# KiCad board Niew_boven.kicad_pcb
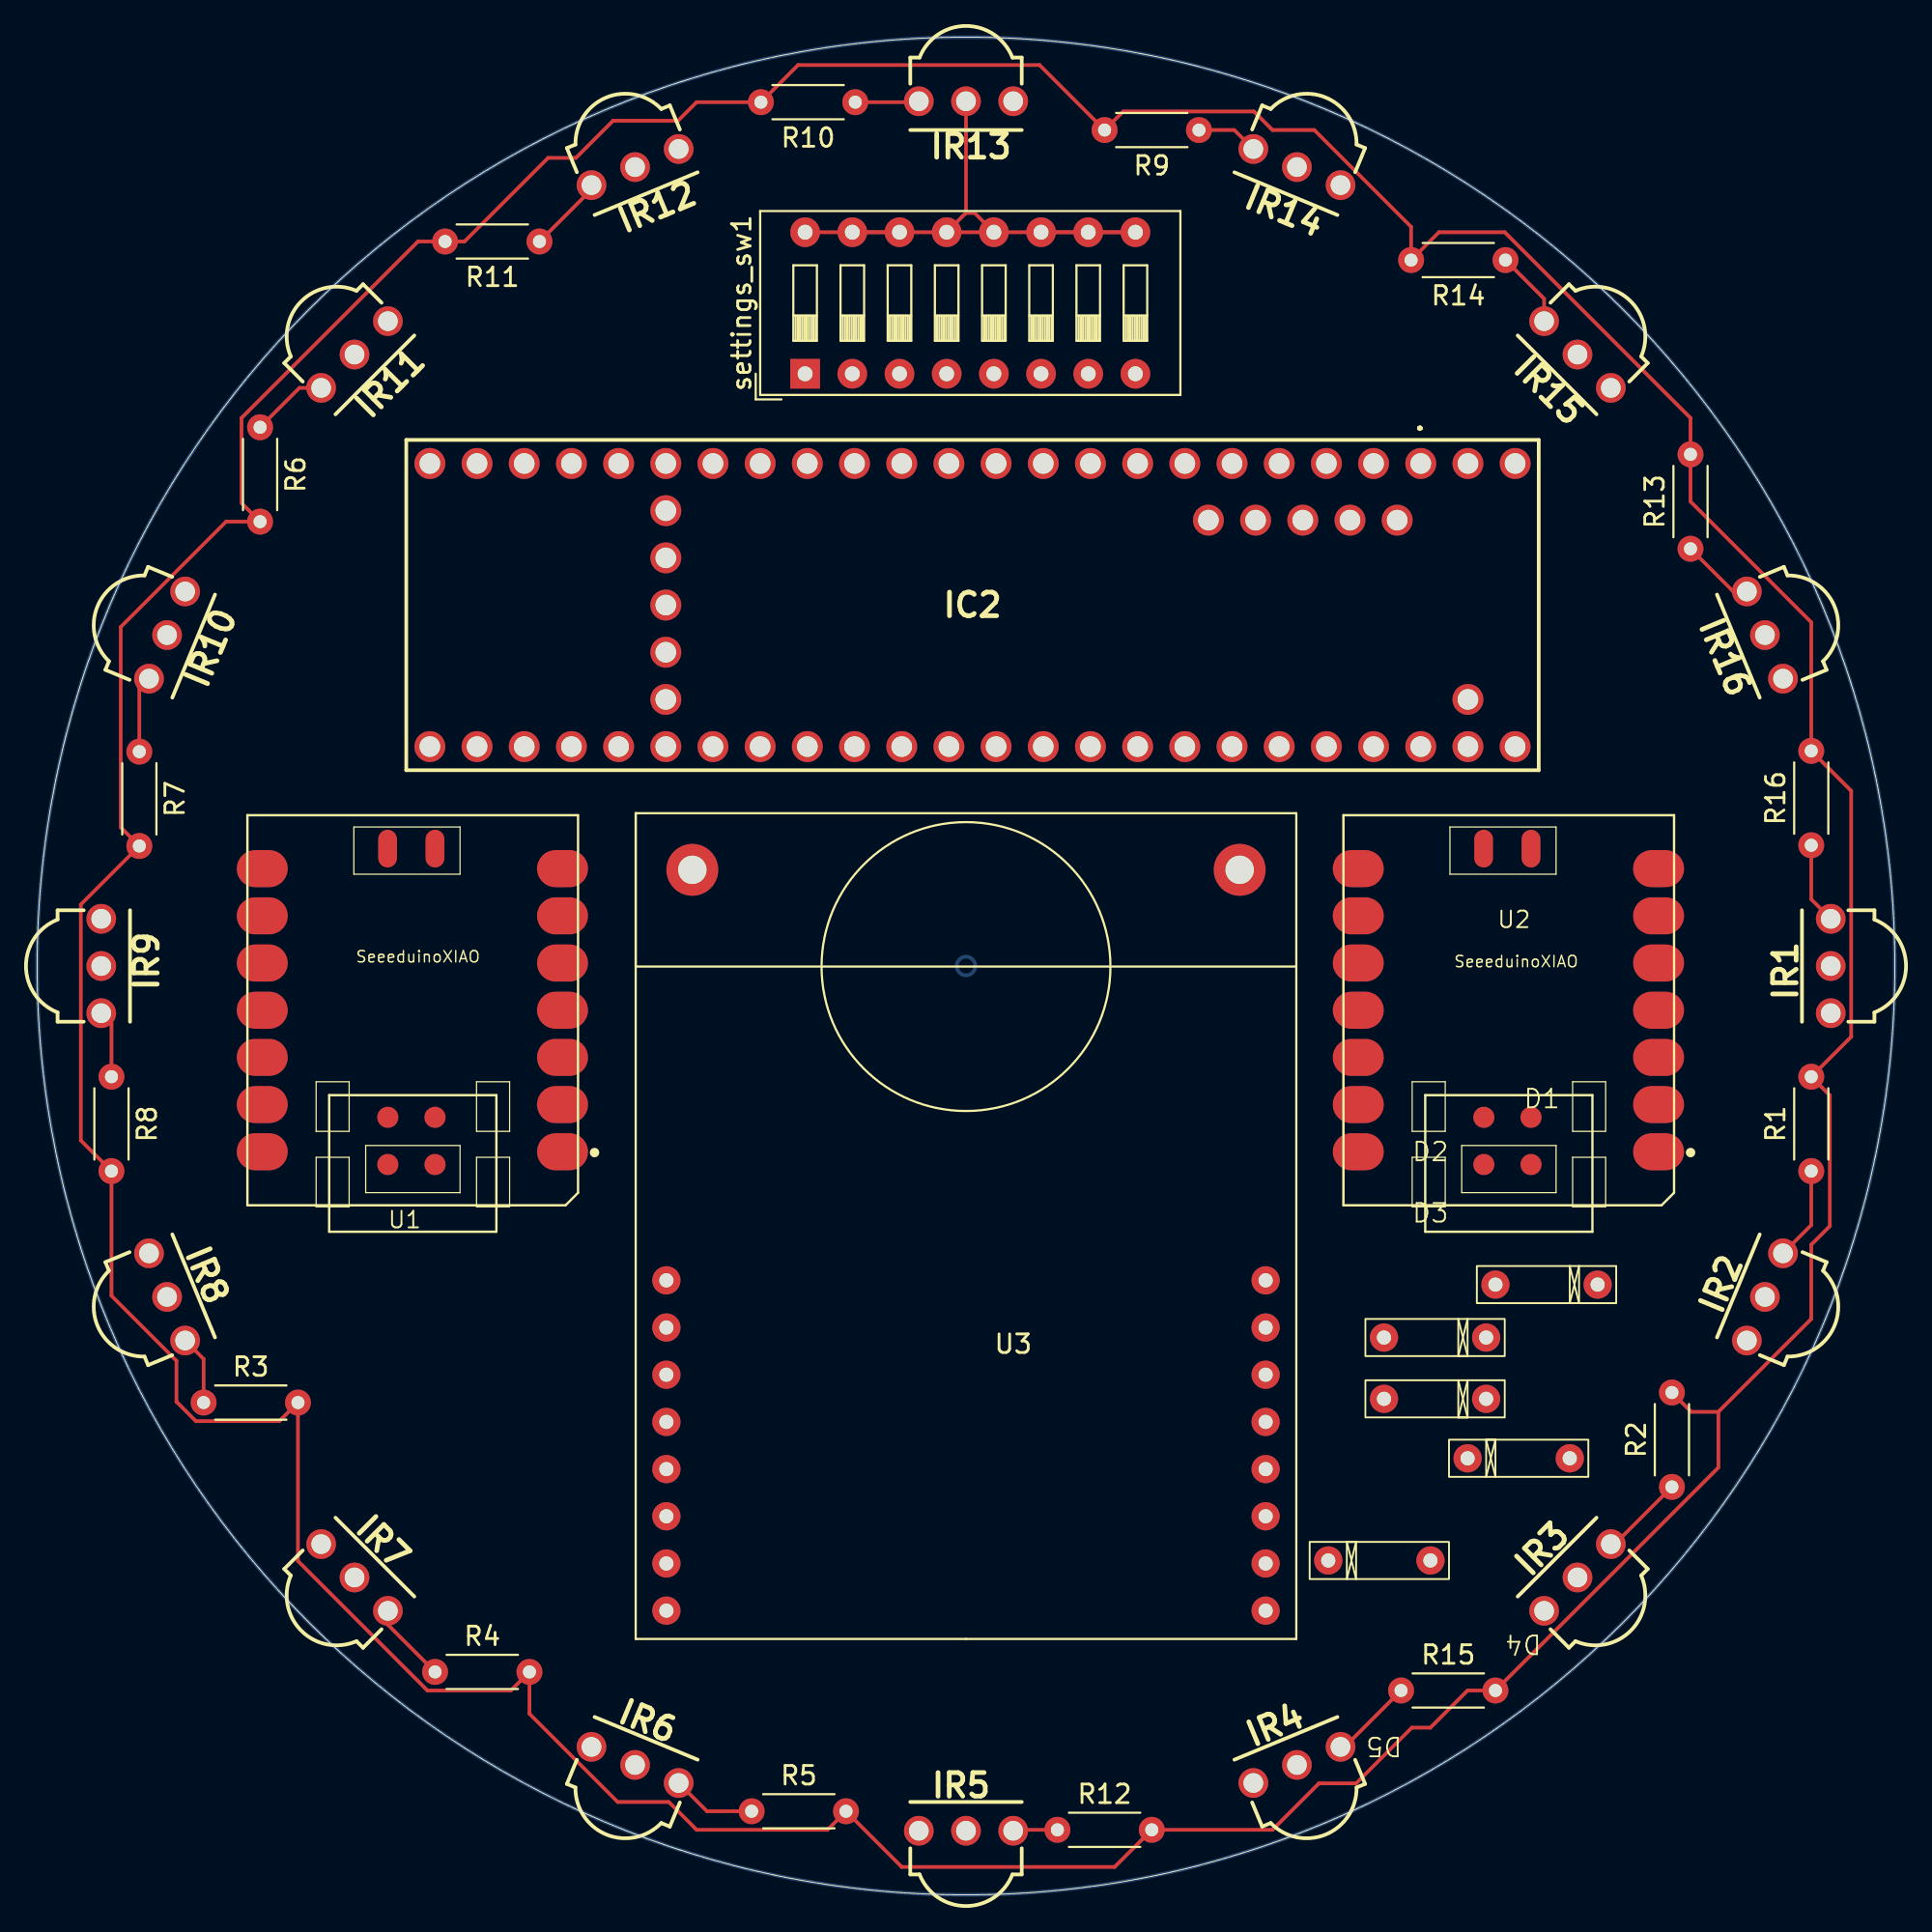
[diagram p0: board, top side]
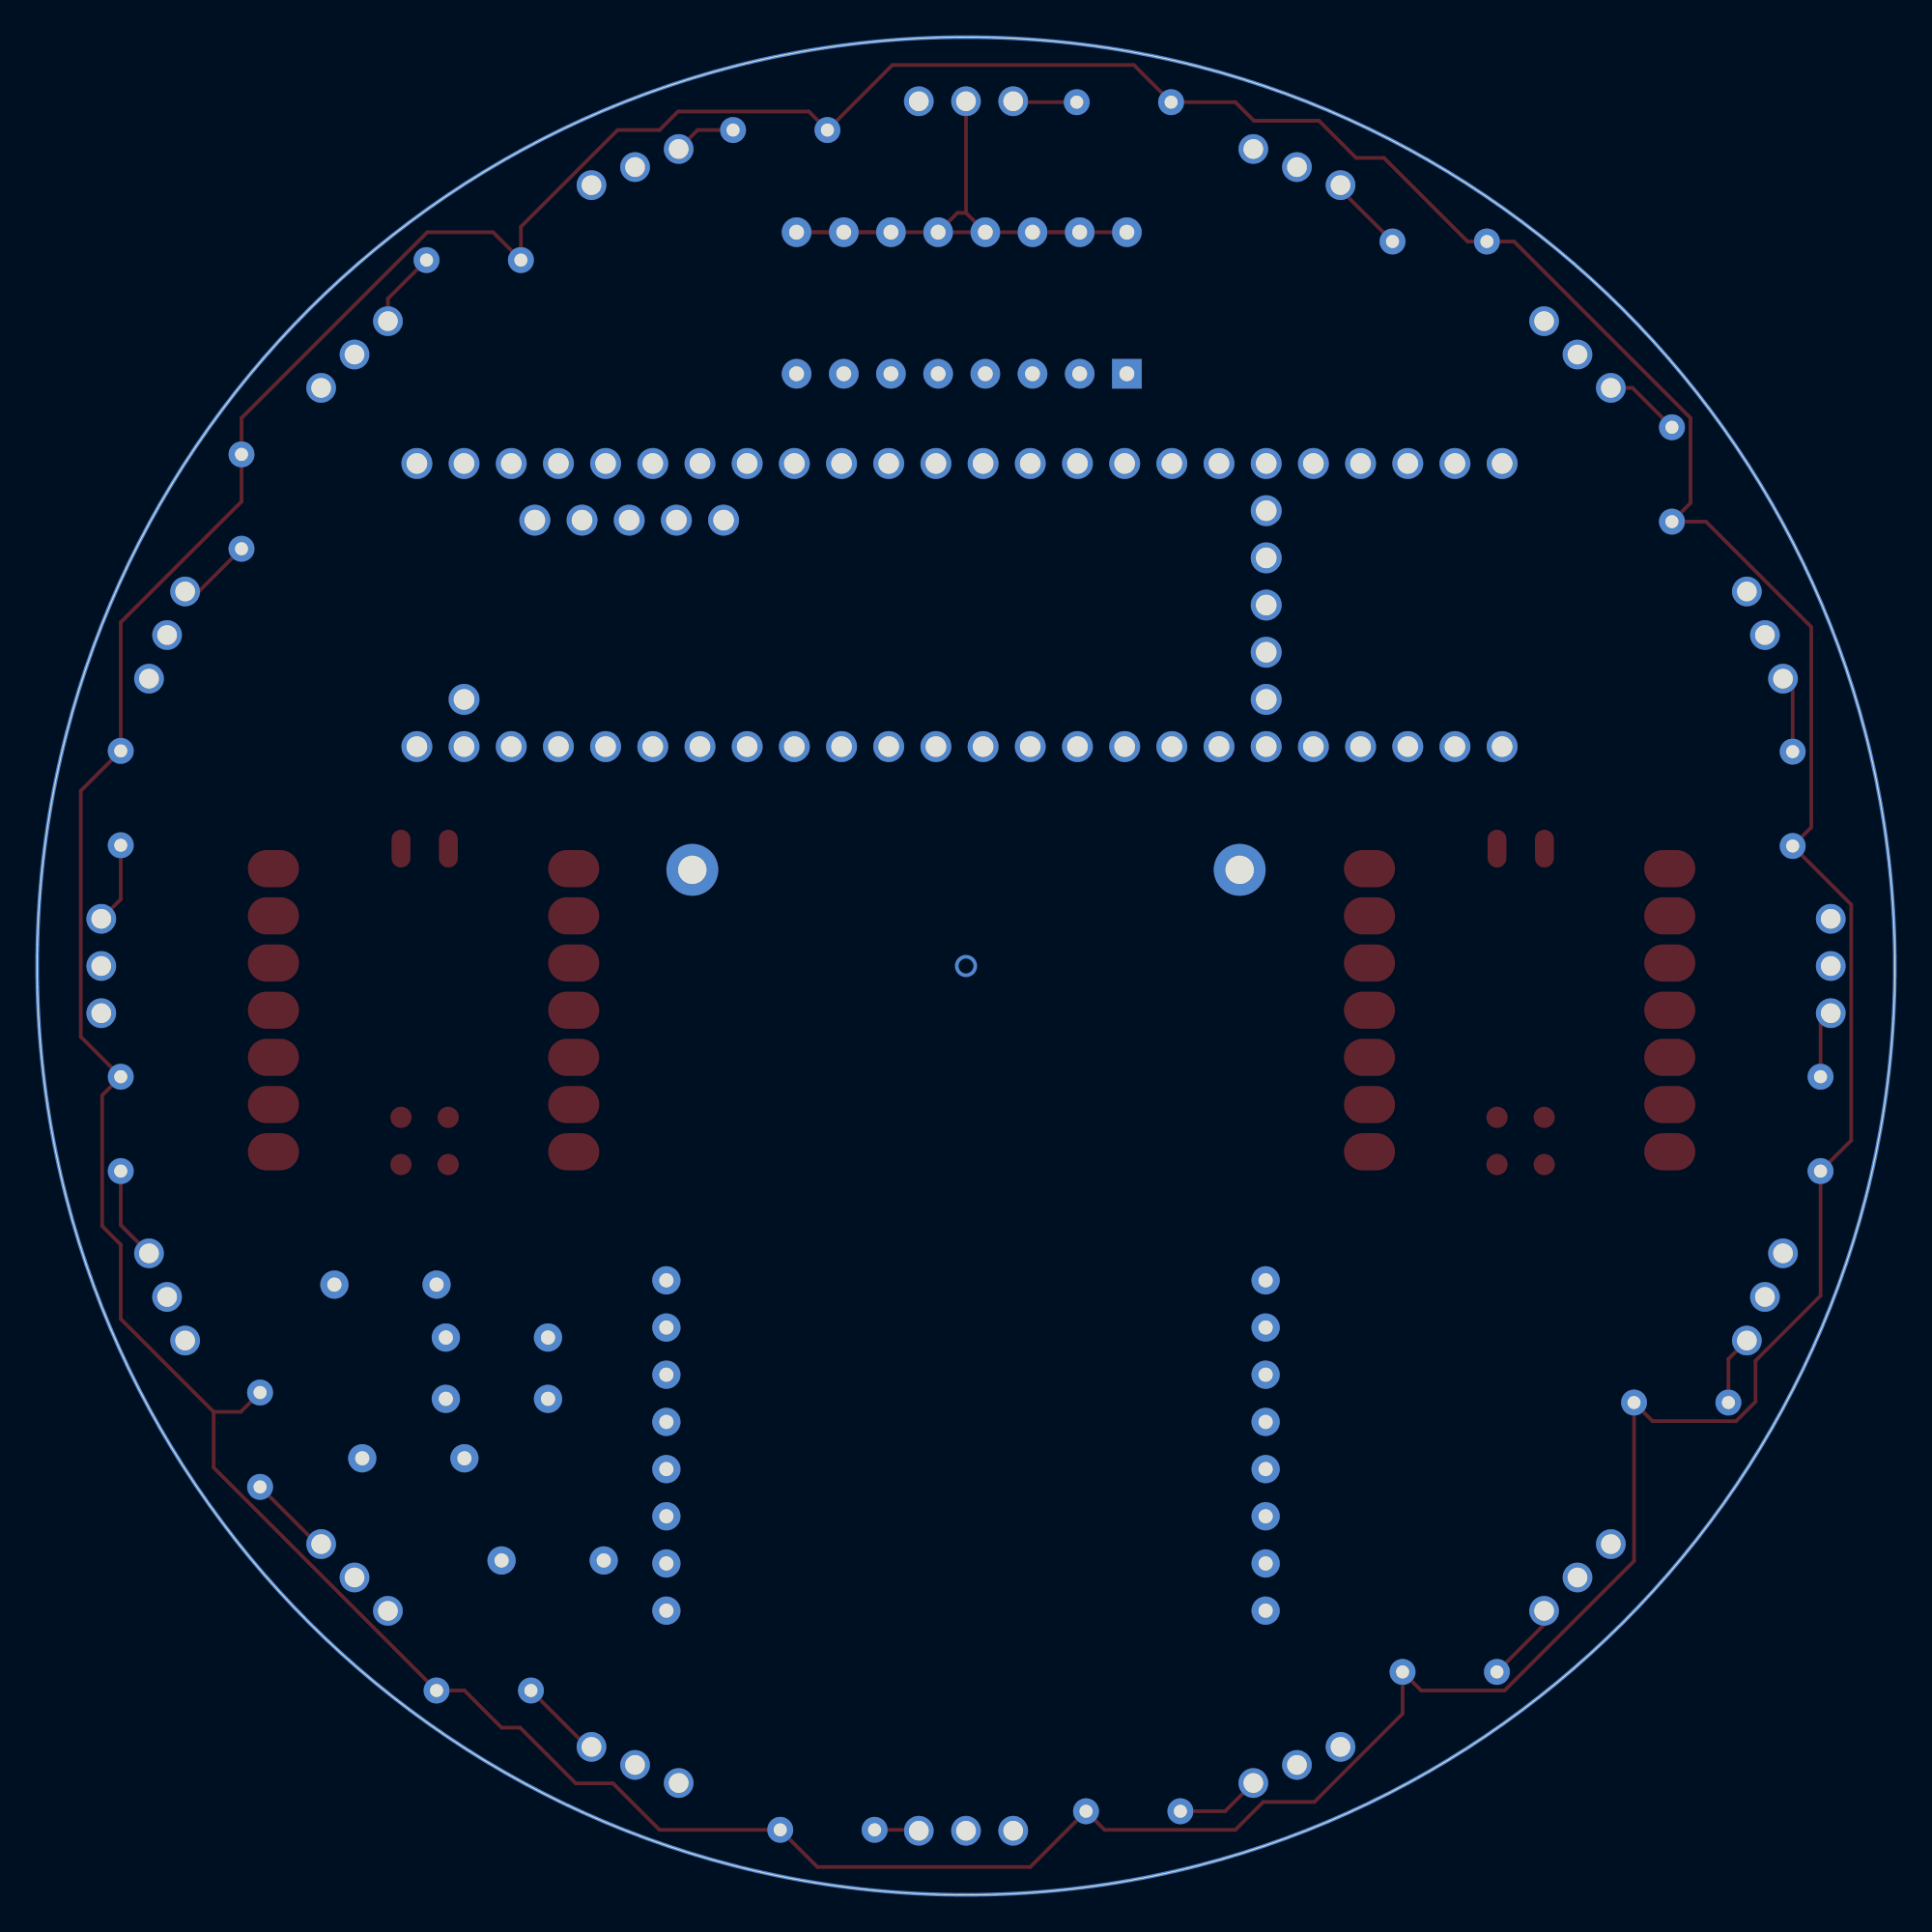
[diagram p1: board, bottom side, seen from below]

Outline 100 x 100 mm; copper layers: Top, Bottom. Coordinates in mm from the lower left corner of the outline.
Outline path: circle c50,50 r50

## Placement (name value [footprint] x y rotation side)
D1  ~  [diode]  81 32.85 0 top
D2  ~  [diode]  75 30 0 top
D3  ~  [diode]  75 26.7 0 top
D4  ~  [diode]  80 23.5 180 top
D5  ~  [diode]  72.5 18 180 top
IC2  TEENSY_4.1  [TEENSY41]  74.48 77.05 180 top
IR1  -  [TSSP4038]  95 50 90 top
IR2  -  [TSSP4038]  91.57 32.78 67.5 top
IR3  -  [TSSP4038]  81.82 18.18 45 top
IR4  -  [TSSP4038]  67.22 8.43 22.5 top
IR5  -  [TSSP4038]  50 5 0 top
IR6  -  [TSSP4038]  32.78 8.43 337.5 top
IR7  -  [TSSP4038]  18.18 18.18 315 top
IR8  -  [TSSP4038]  8.43 32.78 292.5 top
IR9  -  [TSSP4038]  5 50 270 top
IR10  -  [TSSP4038]  8.43 67.22 247.5 top
IR11  -  [TSSP4038]  18.18 81.82 225 top
IR12  -  [TSSP4038]  32.78 91.57 202.5 top
IR13  -  [TSSP4038]  50 95 180 top
IR14  -  [TSSP4038]  67.22 91.57 157.5 top
IR15  -  [TSSP4038]  81.82 81.82 135 top
IR16  -  [TSSP4038]  91.57 67.22 112.5 top
R1  R_US  [R_Axial_DIN0204_L3.6mm_D1.6mm_P5.08mm_Horizontal]  95.5 38.96 90 top
R2  R_US  [R_Axial_DIN0204_L3.6mm_D1.6mm_P5.08mm_Horizontal]  88 21.96 90 top
R3  R_US  [R_Axial_DIN0204_L3.6mm_D1.6mm_P5.08mm_Horizontal]  8.96 26.5 0 top
R4  R_US  [R_Axial_DIN0204_L3.6mm_D1.6mm_P5.08mm_Horizontal]  21.42 12 0 top
R5  R_US  [R_Axial_DIN0204_L3.6mm_D1.6mm_P5.08mm_Horizontal]  38.46 4.5 0 top
R6  R_US  [R_Axial_DIN0204_L3.6mm_D1.6mm_P5.08mm_Horizontal]  12 79 270 top
R7  R_US  [R_Axial_DIN0204_L3.6mm_D1.6mm_P5.08mm_Horizontal]  5.5 61.54 270 top
R8  R_US  [R_Axial_DIN0204_L3.6mm_D1.6mm_P5.08mm_Horizontal]  4 44.04 270 top
R9  R_US  [R_Axial_DIN0204_L3.6mm_D1.6mm_P5.08mm_Horizontal]  62.54 95 180 top
R10  R_US  [R_Axial_DIN0204_L3.6mm_D1.6mm_P5.08mm_Horizontal]  44.04 96.5 180 top
R11  R_US  [R_Axial_DIN0204_L3.6mm_D1.6mm_P5.08mm_Horizontal]  27.04 89 180 top
R12  R_US  [R_Axial_DIN0204_L3.6mm_D1.6mm_P5.08mm_Horizontal]  54.92 3.5 0 top
R13  R_US  [R_Axial_DIN0204_L3.6mm_D1.6mm_P5.08mm_Horizontal]  89 72.46 90 top
R14  R_US  [R_Axial_DIN0204_L3.6mm_D1.6mm_P5.08mm_Horizontal]  79.04 88 180 top
R15  R_US  [R_Axial_DIN0204_L3.6mm_D1.6mm_P5.08mm_Horizontal]  73.42 11 0 top
R16  R_US  [R_Axial_DIN0204_L3.6mm_D1.6mm_P5.08mm_Horizontal]  95.5 56.5 90 top
settings_sw1  SW_DIP_x08  [SW_DIP_SPSTx08_Slide_9.78x22.5mm_W7.62mm_P2.54mm]  41.34 81.88 90 top
U1  SeeeduinoXIAO  [Seeeduino XIAO-MOUDLE14P-2.54-21X17.8MM]  29.11 58.12 180 top
U2  SeeeduinoXIAO  [Seeeduino XIAO-MOUDLE14P-2.54-21X17.8MM]  88.11 58.12 180 top
U3  openMV_M7_R2  [openmv_m7_r2]  50 36 0 top

## Library data of the parts
D1-D5 = -: Description: semiconductor diode (IEC); Field-1: SPICE
IC2 = -: Datasheet: https://www.pjrc.com/store/teensy41.html; Description: Teensy 4.1 Development Board; Manufacturer_Name: PJRC; Manufacturer_Part_Number: TEENSY 4.1
IR1-IR16 = -: Datasheet: https://componentsearchengine.com/Datasheets/2/TSSP4038.pdf; Description: IR Receiver Module 38KHz 25m EMI 3-Pin Vishay TSSP4038, 38kHz IR Receiver, 950nm +/-45 , 25m Range, 2.5V - 5V, Through Hole, 6 x 3.9 x 6.95mm; Manufacturer_Name: Vishay; Mouser Part Number: 782-TSSP4038; Mouser Price/Stock: https://www.mouser.co.uk/ProductDetail/Vishay-Semiconductors/TSSP4038?qs=lgjwDzixuo3Ja5hn%252BEmOdw%3D%3D; Arrow Price/Stock: https://www.arrow.com/en/products/tssp4038/vishay?region=nac
R1-R16 = -: Description: Resistor, US symbol; ki_fp_filters: R_*
settings_sw1 = -: Description: 8x DIP Switch, Single Pole Single Throw (SPST) switch, small symbol; ki_fp_filters: SW?DIP?x8*

## Footprints (pads in the part's own frame, mm; a bottom-side part is the same pattern mirrored in y, then rotated)
diode
  round 1.524 hole 0.762: 1(-2.5,0) 2(3,0)
openmv_m7_r2
  round 1.524 hole 0.762: 2(-16.129,-2.921) 3(-16.129,-5.461) 4(-16.129,-8.001) 5(-16.129,-10.541) 6(-16.129,-13.081) 7(-16.129,-15.621) 8(-16.129,-18.161) 9(-16.129,-20.701) 10(16.129,-2.921) 11(16.129,-5.461) 12(16.129,-8.001) 13(16.129,-10.541) 14(16.129,-13.081) 15(16.129,-15.621) 16(16.129,-18.161) 17(16.129,-20.701)
  round 2.794 hole 1.524: screw(-14.732,19.177) screw(14.732,19.177)
R_Axial_DIN0204_L3.6mm_D1.6mm_P5.08mm_Horizontal
  round 1.4 hole 0.7: 1(0,0)
  oval 1.4x1.4 hole 0.7: 2(5.08,0)
Seeeduino XIAO-MOUDLE14P-2.54-21X17.8MM
  oval 2.748x1.999 smd: 1(0.833,18.118) 2(0.833,15.578) 3(0.833,13.038) 4(0.833,10.498) 5(0.833,7.958) 6(0.833,5.418) 7(0.833,2.878) 8(16.998,2.878) 9(16.998,5.418) 10(16.998,7.958) 11(16.998,10.498) 12(16.998,13.038) 13(16.998,15.578) 14(16.998,18.118)
  oval 1.016x2.032 smd: 15(7.7,1.8) 16(10.25,1.8)
  round 1.143 smd: 17(7.699,18.804) 18(10.239,18.804) 19(7.699,16.264) 20(10.239,16.264)
SW_DIP_SPSTx08_Slide_9.78x22.5mm_W7.62mm_P2.54mm
  rect 1.6x1.6 hole 0.8: 1(0,0)
  oval 1.6x1.6 hole 0.8: 2(0,-2.54) 3(0,-5.08) 4(0,-7.62) 5(0,-10.16) 6(0,-12.7) 7(0,-15.24) 8(0,-17.78) 9(7.62,-17.78) 10(7.62,-15.24) 11(7.62,-12.7) 12(7.62,-10.16) 13(7.62,-7.62) 14(7.62,-5.08) 15(7.62,-2.54) 16(7.62,0)
TEENSY41
  round 1.665 hole 1.11: 1(0,0) 2(2.54,0) 3(5.08,0) 4(7.62,0) 5(10.16,0) 6(12.7,0) 7(15.24,0) 8(17.78,0) 9(20.32,0) 10(22.86,0) 11(25.4,0) 12(27.94,0) 13(27.94,15.24) 14(25.4,15.24) 15(22.86,15.24) 16(20.32,15.24) 17(17.78,15.24) 18(15.24,15.24) 19(12.7,15.24) 20(10.16,15.24) 21(7.62,15.24) 22(5.08,15.24) 23(2.54,15.24) 24(33.02,0) 25(35.56,0) 26(38.1,0) 27(40.64,0) 28(43.18,0) 29(45.72,0) 30(48.26,0) 31(50.8,0) 32(53.34,0) 33(53.34,15.24) 34(50.8,15.24) 35(48.26,15.24) 36(45.72,15.24) 37(43.18,15.24) 38(40.64,15.24) 39(38.1,15.24) 40(35.56,15.24) 41(33.02,15.24) 42(30.48,0) 43(40.64,2.54) 44(40.64,5.08) 45(40.64,7.62) 46(40.64,10.16) 47(40.64,12.7) 48(11.43,3.05) 49(8.89,3.05) 50(6.35,3.05) 51(3.81,3.05) 52(1.27,3.05) 53(0,15.24) 55(-5.08,15.24) 57(-2.54,0) 68(-2.54,12.7) 69(30.48,15.24) 70(-2.54,15.24) 71(-5.08,0)
TSSP4038
  round 1.6 hole 1.06: 1(-2.54,-1.55) 2(0,-1.55) 3(2.54,-1.55)

## Nets
3V3: D2.1 R1.2 R2.2 R3.2 R4.2 R5.2 R6.2 R7.2 R8.2 R9.2 R10.2 R11.2 R12.2 R13.2 R14.2 R15.2 R16.2 U1.12 U2.12
5V: D1.1 D5.2 U3.16
GND: D3.2 D4.1 IR1.2 IR2.2 IR3.2 IR4.2 IR5.2 IR6.2 IR7.2 IR8.2 IR9.2 IR10.2 IR11.2 IR12.2 IR13.2 IR14.2 IR15.2 IR16.2 settings_sw1.9 settings_sw1.10 settings_sw1.11 settings_sw1.12 settings_sw1.13 settings_sw1.14 settings_sw1.15 settings_sw1.16 U1.13 U2.13 U3.17
Net-(D4-A+): D4.2 IC2.69 IC2.70 IC2.71
Net-(D5-K-): D5.1 IC2.55
Net-(IC2-A0): IC2.14 U2.8
Net-(IC2-A1): IC2.15 U2.7
Net-(IC2-A6): IC2.20
Net-(IC2-A7): IC2.21 settings_sw1.8
Net-(IC2-A8): IC2.22 settings_sw1.7
Net-(IC2-A9): IC2.23 settings_sw1.6
Net-(IC2-A10): IC2.24 settings_sw1.5
Net-(IC2-A14): IC2.38 settings_sw1.1
Net-(IC2-A15): IC2.39 settings_sw1.2
Net-(IC2-A16): IC2.40 settings_sw1.3
Net-(IC2-A17): IC2.41 settings_sw1.4
Net-(IC2-RX1): IC2.57 U3.6
Net-(IC2-RX2): IC2.7 U1.7
Net-(IC2-TX1): IC2.1 U3.7
Net-(IC2-TX2): IC2.8 U1.8
Net-(IR1-OUT): IR1.1 U2.9
Net-(IR1-VS): IR1.3 R16.1
Net-(IR2-OUT): IR2.1 U2.6
Net-(IR2-VS): IR2.3 R1.1
Net-(IR3-OUT): IR3.1 U2.5
Net-(IR3-VS): IR3.3 R2.1
Net-(IR4-OUT): IR4.1 U2.4
Net-(IR4-VS): IR4.3 R15.1
Net-(IR5-OUT): IR5.1 U2.3
Net-(IR5-VS): IR5.3 R12.1
Net-(IR6-OUT): IR6.1 U2.2
Net-(IR6-VS): IR6.3 R5.1
Net-(IR7-OUT): IR7.1 U2.1
Net-(IR7-VS): IR7.3 R4.1
Net-(IR8-OUT): IR8.1 U1.11
Net-(IR8-VS): IR8.3 R3.1
Net-(IR9-OUT): IR9.1 U1.10
Net-(IR9-VS): IR9.3 R8.1
Net-(IR10-OUT): IR10.1 U1.9
Net-(IR10-VS): IR10.3 R7.1
Net-(IR11-OUT): IR11.1 U1.6
Net-(IR11-VS): IR11.3 R6.1
Net-(IR12-OUT): IR12.1 U1.5
Net-(IR12-VS): IR12.3 R11.1
Net-(IR13-OUT): IR13.1 U1.4
Net-(IR13-VS): IR13.3 R10.1
Net-(IR14-OUT): IR14.1 U1.3
Net-(IR14-VS): IR14.3 R9.1
Net-(IR15-OUT): IR15.1 U1.2
Net-(IR15-VS): IR15.3 R14.1
Net-(IR16-OUT): IR16.1 U1.1
Net-(IR16-VS): IR16.3 R13.1

Pads without a net: D1 2; D2 2; D3 1; IC2 2 3 4 5 6 9 10 11 12 13 16 17 18 19 25 26 27 28 29 30 31 32 33 34 35 36 37 42 43 44 45 46 47 48 49 50 51 52 53 68; U1 14 15 16 17 18 19 20; U2 10 11 14 15 16 17 18 19 20; U3 2 3 4 5 8 9 10 11 12 13 14 15 screw

## Routing (per net, layer and track width the routed paths; a pad name or vN(x,y) marks a point on that pad's centre or on a via; arc(x,y) is an arc through that point)
3V3: length 336.1
  Top w0.2: 90.5,26 90.5,23 R15.2 77,11 75,9 74,9 71,6 69,6 66.5,3.5 R12.2 58,1.5 46.54,1.5 R5.2 42.54,3.5 35.5,3.5 34,5 31.25,5 26.5,9.75 R4.2 25.5,11 21.01,11 14.04,17.97 R3.2 13.04,25.5 8.55,25.5 7.5,26.55 7.5,28.75 4,32.25 R8.2 2.35,40.61 2.35,53.31 R7.2 4.5,57.46 4.5,68.25 10.17,73.92 R6.2 11,74.92 11,79.5 20.5,89 R11.2 23,89 27.5,93.5 29,93.5 31,95.5 34.5,95.5 35.5,96.5 R10.2 40.96,98.5 53.96,98.5 R9.2 58.46,96 65.5,96 66.5,95 68.75,95 73.96,89.79 R14.2 75.46,89.5 79,89.5 89,79.5 R13.2 89,75 95.5,68.5 R16.2 97.65,59.43 97.65,46.19 R1.2 96.5,43.04 96.5,36 95.5,35 95.5,31 90.5,26 ; 90.5,26 89.04,26 R2.2
GND: length 34.8
  Top w0.2: settings_sw1.15 settings_sw1.13 ; settings_sw1.15 settings_sw1.16 ; settings_sw1.15 settings_sw1.14 ; settings_sw1.13 50,90.54 ; settings_sw1.13 settings_sw1.12 ; 50,90.54 50.46,90.54 settings_sw1.12 ; 50,90.54 IR13.2 ; 50,90.54 49.98,90.52 ; settings_sw1.11 settings_sw1.9 settings_sw1.10 settings_sw1.12
Net-(IR1-VS): length 4.4
  Top w0.2: R16.1 95.5,53.59 IR1.3
Net-(IR2-VS): length 5.1
  Top w0.2: IR2.3 95.5,36.05 R1.1
Net-(IR3-VS): length 4.6
  Top w0.2: R2.1 84.92,18.88 IR3.3
Net-(IR4-VS): length 4.5
  Top w0.2: IR4.3 70.39,7.97 R15.1
Net-(IR5-VS): length 2.4
  Top w0.2: IR5.3 52.59,3.5 R12.1
Net-(IR6-VS): length 4.6
  Top w0.2: IR6.3 36.05,4.5 R5.1
Net-(IR7-VS): length 4.3
  Top w0.2: R4.1 18.88,14.54 IR7.3
Net-(IR8-VS): length 3.8
  Top w0.2: R3.1 8.96,28.84 IR8.3
Net-(IR9-VS): length 3.6
  Top w0.2: IR9.3 4,46.91 R8.1
Net-(IR10-VS): length 4.1
  Top w0.2: R7.1 5.5,64.95 IR10.3
Net-(IR11-VS): length 4.2
  Top w0.2: R6.1 14.12,81.12 IR11.3
Net-(IR12-VS): length 4.2
  Top w0.2: IR12.3 29.84,91.8 R11.1
Net-(IR13-VS): length 3.4
  Top w0.2: IR13.3 47.41,96.5 R10.1
Net-(IR14-VS): length 3.4
  Top w0.2: IR14.3 64.45,95 R9.1
Net-(IR15-VS): length 4.1
  Top w0.2: R14.1 81.12,85.92 IR15.3
Net-(IR16-VS): length 4
  Top w0.2: IR16.3 91.3,70.16 R13.1
